# Altium PCB Coral Dev Board Micro.PcbDoc (part 1 of 6) (continued)
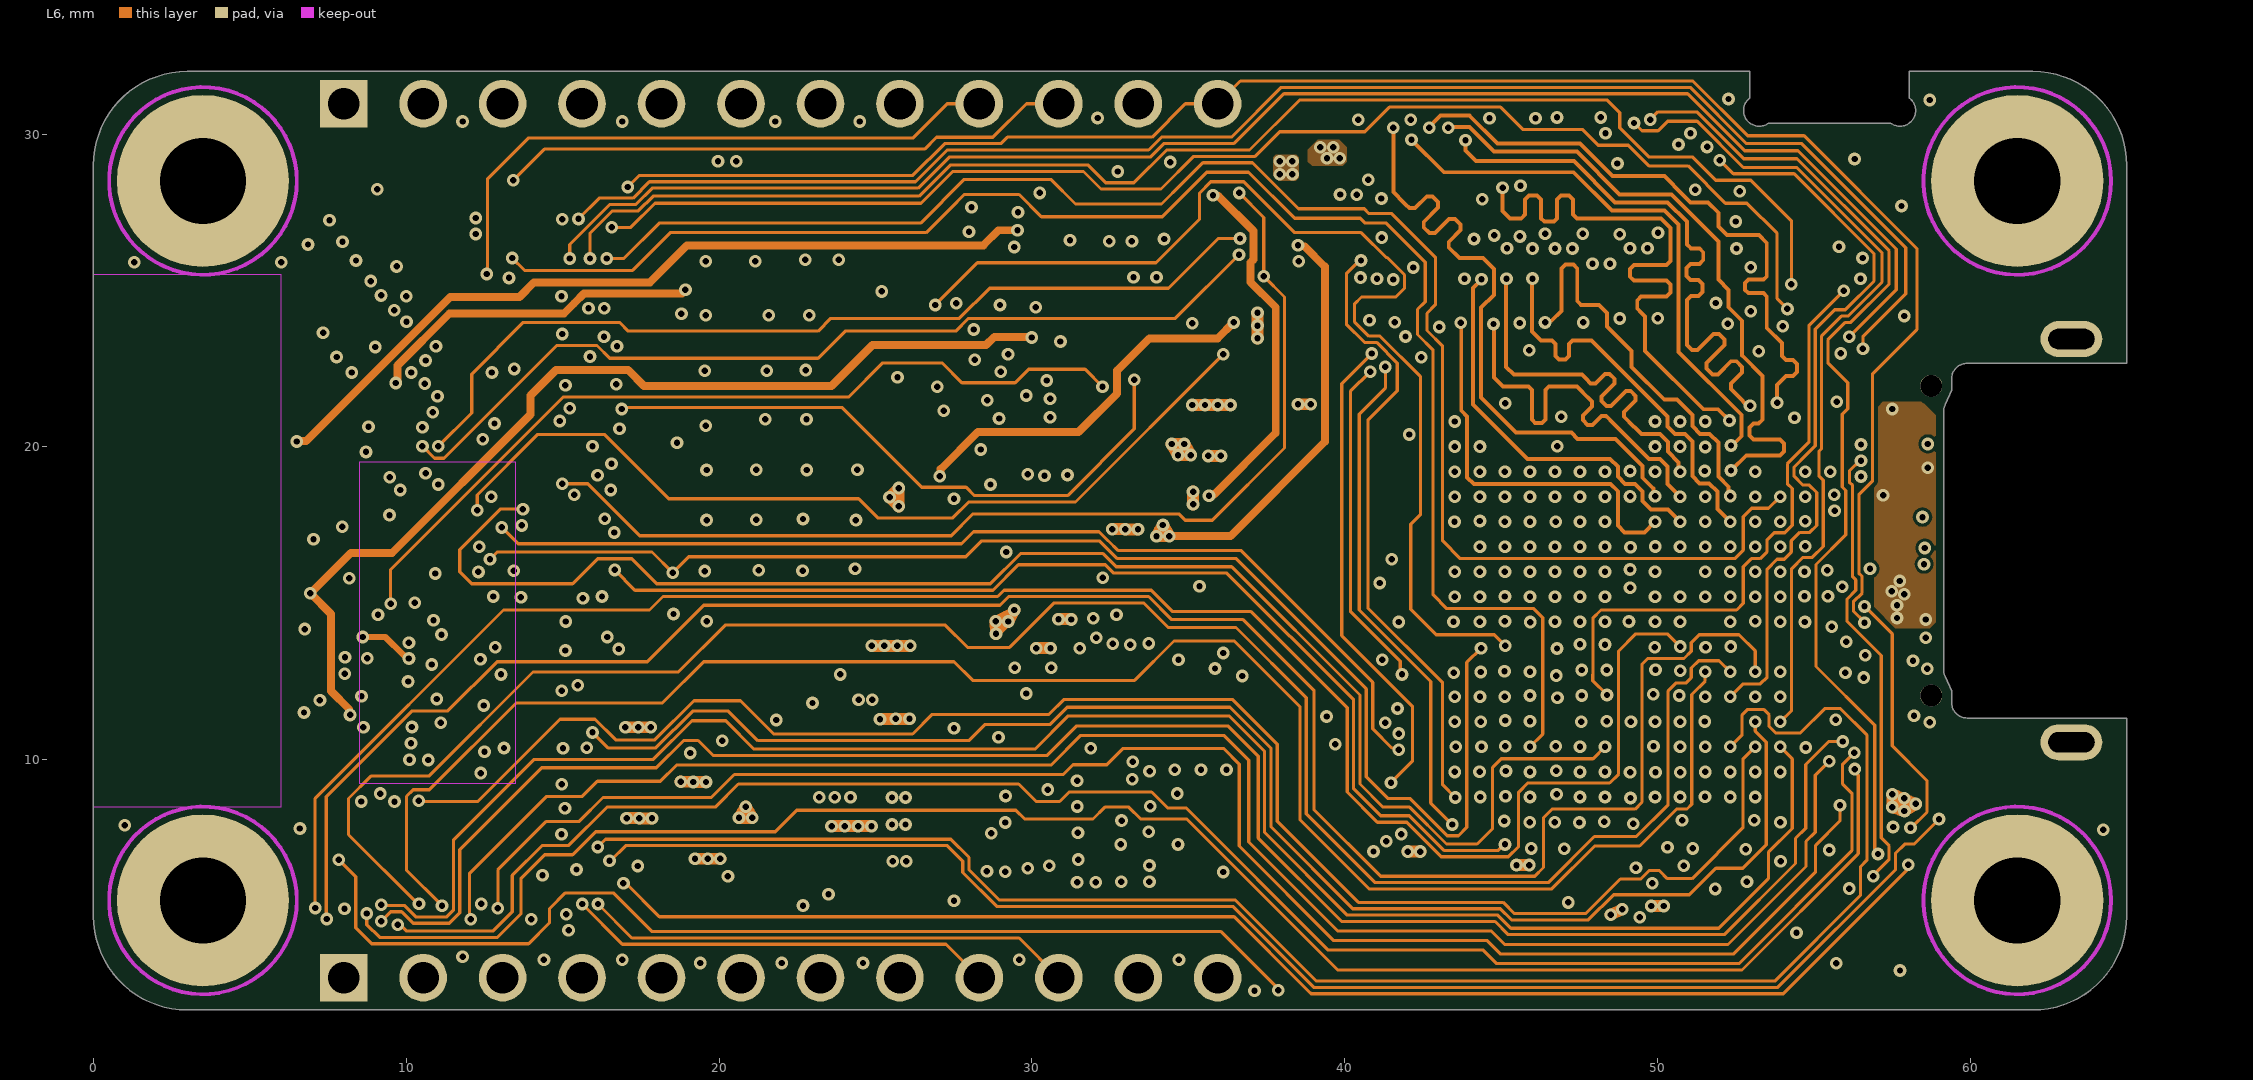
[diagram p6: L6]
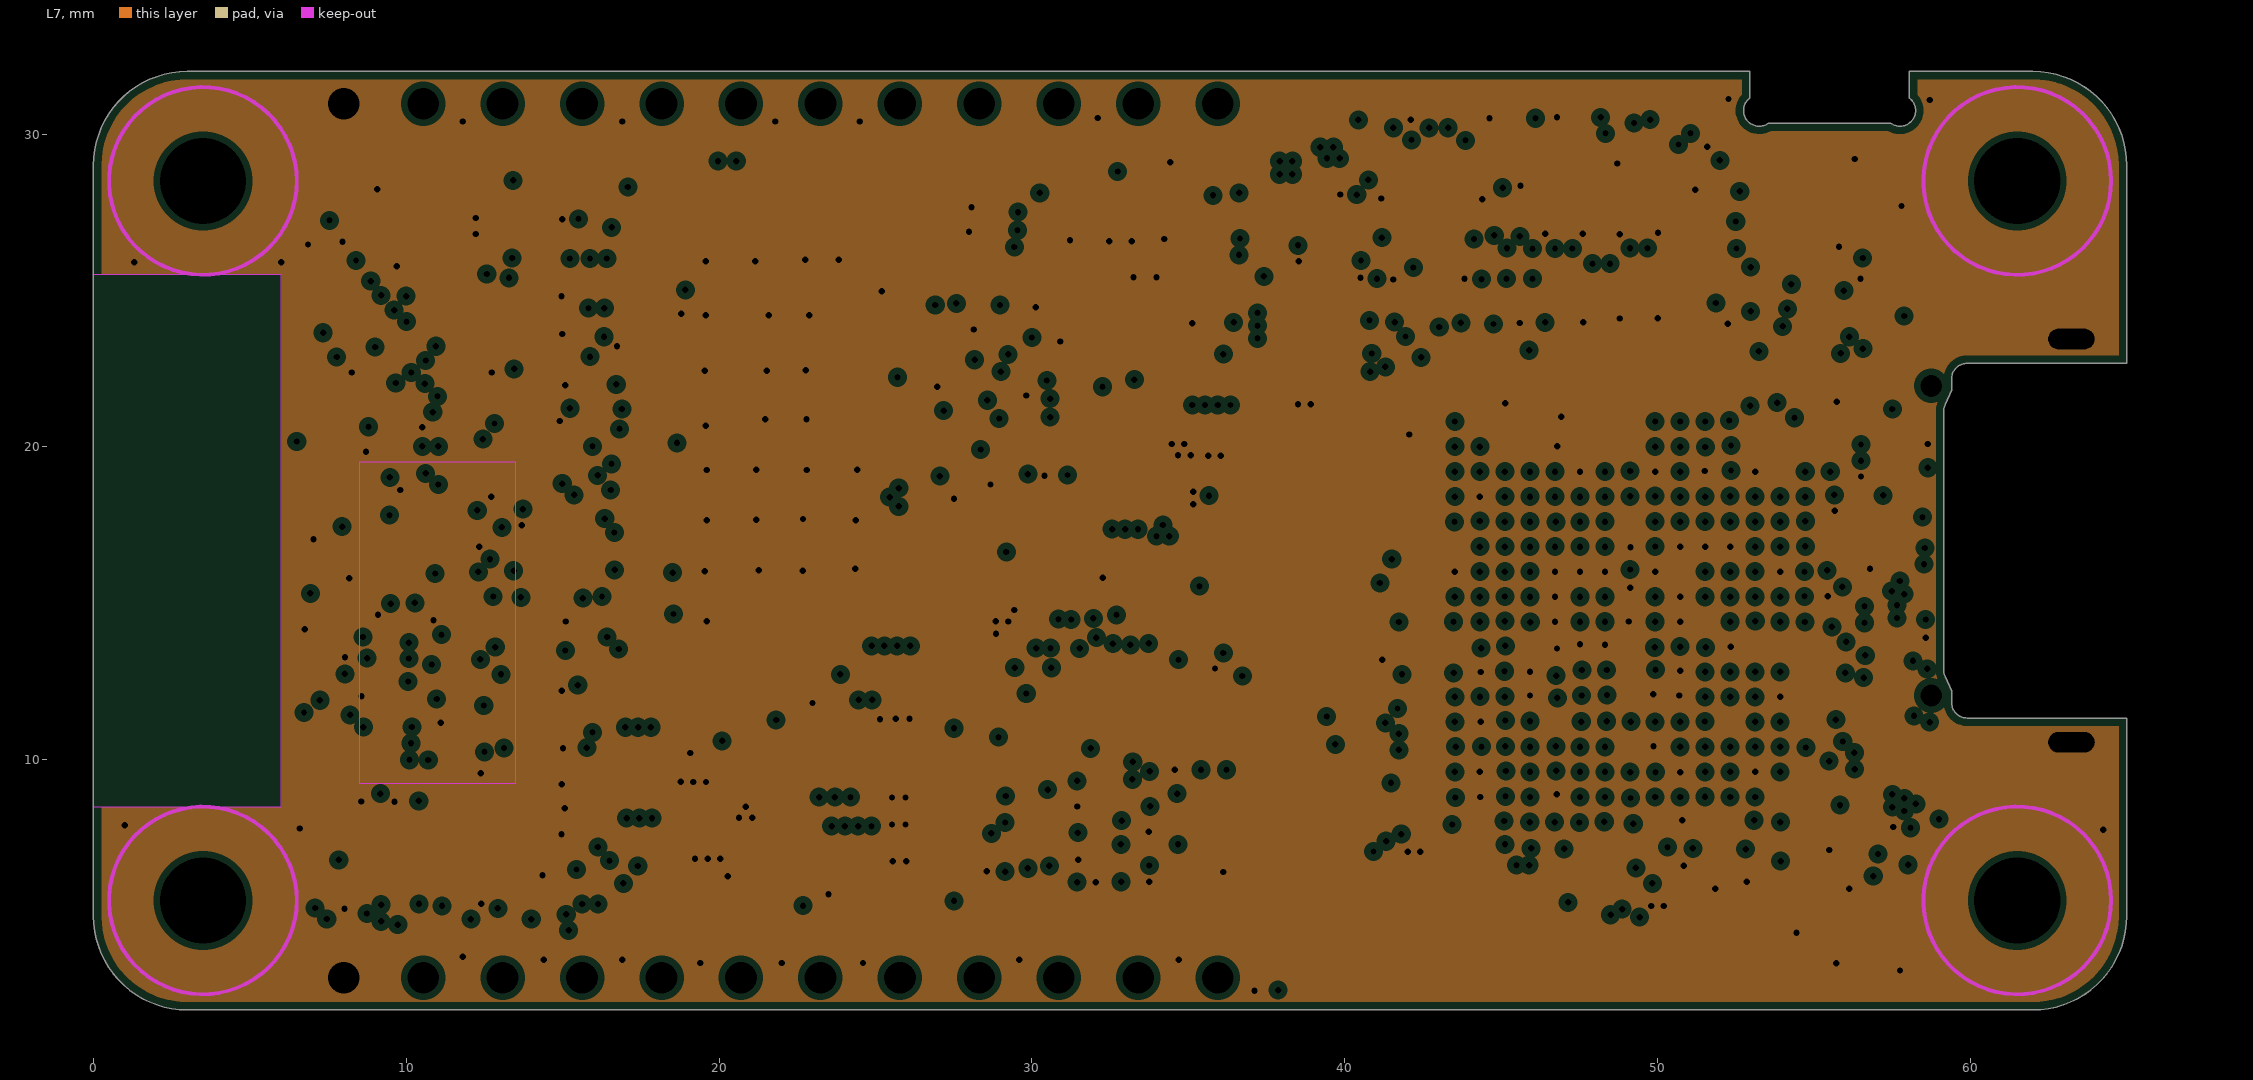
[diagram p7: L7, clearances drawn from the general rule]

## Layer stack, top to bottom
Top Solder: solder mask 0.02, Solder Resist, Dk 1
Top Layer: signal copper 0.043
Dielectric 1: prepreg 0.071, NPG-151, Dk 4.3
L2: plane copper 0.03, net GND
Dielectric 2: core 0.1, NPG-151, Dk 4.3
L3: signal copper 0.03
Dielectric 3: prepreg 0.436, NPG-151, Dk 4.1
L4: signal copper 0.03
Dielectric 4: prepreg 0.102, NPG-151, Dk 4.3
L5: signal copper 0.03
Dielectric 5: prepreg 0.436, NPG-151, Dk 4.1
L6: signal copper 0.03
Dielectric 6: core 0.1, NPG-151, Dk 4.3
L7: plane copper 0.03, net GND
Dielectric 7: prepreg 0.071, NPG-151, Dk 4.3
Bottom Layer: signal copper 0.043
Bottom Solder: solder mask 0.02, Solder Resist, Dk 1

## Board outline
3,2 cw(c3,5) 0,5 0,29 cw(c3,29) 3,32 52.95,32 52.95,31.15 ccw(c53.25,30.75) 53.55,30.35 57.45,30.35 ccw(c57.75,30.75) 58.05,31.15 58.05,32 62,32 cw(c62,29) 65,29 65,22.67 59.9,22.67 ccw(c59.9,22.17) 59.4,22.17 59.4,21.812 59.193,21.347 ccw(c59.65,21.144) 59.15,21.144 59.15,12.856 ccw(c59.65,12.856) 59.193,12.653 59.4,12.188 59.4,11.83 ccw(c59.9,11.83) 59.9,11.33 65,11.33 65,5 cw(c62,5) 62,2

## Design rules (kind name [scope] priority, off if disabled: settings)
BoardOutlineClearance BoardOutlineClearance_USB [InComponent('J8')] p1: gap=0 ignorepadtopadclearanceinfootprint=FALSE
BoardOutlineClearance BoardOutlineClearance_SW3 [InComponent('SW3')] p2: gap=0 ignorepadtopadclearanceinfootprint=FALSE except(0.15: SMDPad-OutlineEdge SMDPad-CavityEdge SMDPad-CutoutEdge SMDPad-SplitBarrior SMDPad-SplitContinuation)
BoardOutlineClearance [All] p3: gap=0.254 ignorepadtopadclearanceinfootprint=FALSE
Clearance Clearance_50OHM [All vs InNetClass('50OHM')] p1: gap=0.127 ignorepadtopadclearanceinfootprint=FALSE except(0: Arc-Hole Track-Hole SMDPad-Hole THPad-Hole Via-Hole Fill-Hole Poly-Hole Region-Hole Text-Hole; 0.152: SMDPad-Text THPad-Text; 0.203: Fill-Fill Fill-Poly Fill-Region Poly-Poly Poly-Region Region-Region; 0.254: Arc-THPad Track-THPad SMDPad-THPad THPad-THPad THPad-Via THPad-Fill THPad-Poly THPad-Region)
Clearance Clearance_3W [InNetClass('3W')] p2: gap=0.127 ignorepadtopadclearanceinfootprint=FALSE except(0: Arc-Hole Track-Hole SMDPad-Hole THPad-Hole Via-Hole Fill-Hole Poly-Hole Region-Hole Text-Hole; 0.152: SMDPad-Text THPad-Text; 0.203: Arc-Arc Arc-Track Track-Track Fill-Fill Fill-Poly Fill-Region Poly-Poly Poly-Region Region-Region; 0.254: Arc-THPad Track-THPad SMDPad-THPad THPad-THPad THPad-Via THPad-Fill THPad-Poly THPad-Region)
Clearance [All] p3: gap=0.127 ignorepadtopadclearanceinfootprint=FALSE except(0: Arc-Hole Track-Hole SMDPad-Hole THPad-Hole Via-Hole Fill-Hole Poly-Hole Region-Hole Text-Hole; 0.102: Arc-Arc Arc-Track Arc-SMDPad Arc-Via Track-Track Track-SMDPad Track-Via Via-Via Via-Fill Via-Poly Via-Region Via-Text; 0.152: SMDPad-Text THPad-Text; 0.2: Fill-Fill Fill-Poly Fill-Region Poly-Poly Poly-Region Region-Region; 0.254: Arc-THPad Track-THPad SMDPad-THPad THPad-THPad THPad-Via THPad-Fill THPad-Poly THPad-Region)
ComponentClearance "HM-TRP & UFL" [InComponent('X1') vs InComponent('U1')] p1: gap=0 collisioncheckmode=3 verticalgap=0 showdistances=FALSE
ComponentClearance [All] p2: gap=0.025 collisioncheckmode=3 verticalgap=0.025 showdistances=FALSE
DiffPairsRouting 90OHM_DIFF [(OnBottomLayer OR OnTopLayer) AND InDifferentialPairClass('90OHM_DIFF')] p1: maxlimit=0.152 minlimit=0.127 mostfreqgap=0.152 toplayer_mingap=0.152 toplayer_minwidth=0.102 toplayer_maxwidth=0.102 toplayer_prefwidth=0.102 midlayer1_mingap=0.152 midlayer1_minwidth=0.102 midlayer1_maxwidth=0.102 midlayer1_prefwidth=0.102 midlayer2_maxgap=0.127 midlayer2_prefgap=0.127 midlayer2_minwidth=0.102 midlayer2_maxwidth=0.102 midlayer2_prefwidth=0.102 midlayer3_maxgap=0.127 midlayer3_prefgap=0.127 midlayer3_minwidth=0.102 midlayer3_maxwidth=0.102 midlayer3_prefwidth=0.102 midlayer4_mingap=0.152 midlayer4_minwidth=0.102 midlayer4_maxwidth=0.102 midlayer4_prefwidth=0.102 bottomlayer_mingap=0.152 bottomlayer_minwidth=0.102 bottomlayer_maxwidth=0.102 bottomlayer_prefwidth=0.102 maxuncoupledlength=12.7 // Only  Valid for Top and Bottom Layers
DiffPairsRouting 100OHM_DIFF [(OnBottomLayer OR OnTopLayer) AND InDifferentialPairClass('100OHM_DIFF')] p2: maxlimit=0.229 minlimit=0.178 mostfreqgap=0.229 toplayer_mingap=0.229 toplayer_minwidth=0.089 toplayer_maxwidth=0.089 toplayer_prefwidth=0.089 midlayer1_mingap=0.229 midlayer1_minwidth=0.089 midlayer1_maxwidth=0.089 midlayer1_prefwidth=0.089 midlayer2_maxgap=0.178 midlayer2_prefgap=0.178 midlayer2_minwidth=0.089 midlayer2_maxwidth=0.089 midlayer2_prefwidth=0.089 midlayer3_maxgap=0.178 midlayer3_prefgap=0.178 midlayer3_minwidth=0.089 midlayer3_maxwidth=0.089 midlayer3_prefwidth=0.089 midlayer4_mingap=0.229 midlayer4_minwidth=0.089 midlayer4_maxwidth=0.089 midlayer4_prefwidth=0.089 bottomlayer_mingap=0.229 bottomlayer_minwidth=0.089 bottomlayer_maxwidth=0.089 bottomlayer_prefwidth=0.089 maxuncoupledlength=12.7 // Only Valid For Top and Bottom Layers
HoleSize [All] p1: absolutevalues=TRUE maxlimit=6.731 minlimit=0.178 maxpercent=80.000 minpercent=20.000
HoleToHoleClearance [All] p1: gap=0.203 allowstackedmicrovias=FALSE
MatchedLengths MatchedLengths_SEMC_D [InxSignalClass('XSEMC_D')] p1: tolerance=5.08 checknetsindiffpair=FALSE checkdiffpairvsdiffpair=TRUE checkxsignals=TRUE checkothers=TRUE
MatchedLengths DiffPair_90OHMMatchedLengths [InDifferentialPairClass('USB_90_OHMS') or InDifferentialPairClass('100OHM_DIFF')] p2: tolerance=0.127 checknetsindiffpair=TRUE checkdiffpairvsdiffpair=FALSE checkxsignals=FALSE checkothers=FALSE
MatchedLengths MatchedLengths_SEMC_D_50mil [InxSignalClass('SEMC_D_50mil')] p3: tolerance=1.27 checknetsindiffpair=FALSE checkdiffpairvsdiffpair=TRUE checkxsignals=TRUE checkothers=TRUE
MatchedLengths MatchedLengths_SEMC_A [InxSignalClass('XSEMC_A')] p4: tolerance=5.08 checknetsindiffpair=FALSE checkdiffpairvsdiffpair=TRUE checkxsignals=TRUE checkothers=TRUE
MatchedLengths [InxSignalClass('XFLEXSPI')] p5: tolerance=0.635 checknetsindiffpair=FALSE checkdiffpairvsdiffpair=TRUE checkxsignals=TRUE checkothers=TRUE
MatchedLengths MatchLengths_ENET_TX [InxSignalClass('XENET_TX')] p6: tolerance=0.127 checknetsindiffpair=FALSE checkdiffpairvsdiffpair=TRUE checkxsignals=TRUE checkothers=TRUE
MatchedLengths MatchLengths_ENET_RX [InxSignalClass('XENET_RX')] p7: tolerance=0.127 checknetsindiffpair=FALSE checkdiffpairvsdiffpair=TRUE checkxsignals=TRUE checkothers=TRUE
MinimumAnnularRing [All] p1: minimumring=0.102
MinimumSolderMaskSliver MinimumSolderMaskSliver_Min [HasFootprint('Molex_5037722410')  or HasFootprint('EDAC_690-W16-290T131') or HasFootprint('6DFN1.1X1E') or HasFootprint('3XDFN') or HasFootprint('Molex_5037722410_HM01B0')] p1: minsoldermaskwidth=0.056
MinimumSolderMaskSliver [All] p2: minsoldermaskwidth=0.076
PlaneClearance [All] p1: clearance=0.203
PlaneConnect [All] p1: pad.planeconnectstyle=Relief pad.reliefexpansion=0.254 pad.reliefentries=4 pad.reliefconductorwidth=0.381 pad.reliefairgap=0.305 via.planeconnectstyle=Direct via.reliefexpansion=0.102 via.reliefentries=4 via.reliefconductorwidth=0.152 via.reliefairgap=0.152
PolygonConnect PolygonConnect_0201 [HasFootprint('R0201_MOD') or HasFootprint('C0201_MOD')] p1: connectstyle=Relief reliefconductorwidth=0.127 reliefentries=4 polygonreliefangle="90 Angle" airgapwidth=0.254
PolygonConnect "Via connect style" [isVia] p2: connectstyle=Direct reliefconductorwidth=0.254 reliefentries=4 polygonreliefangle="90 Angle" airgapwidth=0.254
PolygonConnect [All] p3: thpad.connectstyle=Relief thpad.reliefconductorwidth=0.381 thpad.reliefentries=4 thpad.polygonreliefangle="90 Angle" thpad.airgapwidth=0.254 smdpad.connectstyle=Direct smdpad.reliefconductorwidth=0.254 smdpad.reliefentries=4 smdpad.polygonreliefangle="90 Angle" smdpad.airgapwidth=0.152 via.connectstyle=Direct via.reliefconductorwidth=0.254 via.reliefentries=4 via.polygonreliefangle="90 Angle" via.airgapwidth=0.152
RoomDefinition "04 MIMXRT1170 PART1" [InComponentClass('04 MIMXRT1170 PART1')] p1: confinementstyle=ConfineIn formatcopy=TRUE lockcomponents=FALSE outline -25.4,-25.4 25.4,-25.4 25.4,0 -25.4,0
RoomDefinition "15 INTERFACE_JTAG" [InComponentClass('15 INTERFACE_JTAG')] p2: confinementstyle=ConfineIn formatcopy=TRUE lockcomponents=FALSE outline -25.4,-25.4 25.4,-25.4 25.4,0 -25.4,0
RoomDefinition "14 BOOT" [InComponentClass('14 BOOT')] p3: confinementstyle=ConfineIn formatcopy=TRUE lockcomponents=FALSE outline -25.4,-25.4 25.4,-25.4 25.4,0 -25.4,0
RoomDefinition "13 TPU" [InComponentClass('13 TPU')] p4: confinementstyle=ConfineIn formatcopy=TRUE lockcomponents=FALSE outline -25.4,-25.4 25.4,-25.4 25.4,0 -25.4,0
RoomDefinition "11 DMIC" [InComponentClass('11 DMIC')] p5: confinementstyle=ConfineIn formatcopy=TRUE lockcomponents=FALSE outline -25.4,-25.4 25.4,-25.4 25.4,0 -25.4,0
RoomDefinition "10 SDRAM" [InComponentClass('10 SDRAM')] p6: confinementstyle=ConfineIn formatcopy=TRUE lockcomponents=FALSE outline -25.4,-25.4 25.4,-25.4 25.4,0 -25.4,0
RoomDefinition "09 FLASH_BOOT" [InComponentClass('09 FLASH_BOOT')] p7: confinementstyle=ConfineIn formatcopy=TRUE lockcomponents=FALSE outline -25.4,-25.4 25.4,-25.4 25.4,0 -25.4,0
RoomDefinition "08 Parallel Camera" [InComponentClass('08 Parallel Camera')] p8: confinementstyle=ConfineIn formatcopy=TRUE lockcomponents=FALSE outline -25.4,-25.4 25.4,-25.4 25.4,0 -25.4,0
RoomDefinition "07 B2B" [InComponentClass('07 B2B')] p9: confinementstyle=ConfineIn formatcopy=TRUE lockcomponents=FALSE outline -25.4,-25.4 25.4,-25.4 25.4,0 -25.4,0
RoomDefinition "06 MIMXRT1170 PART3" [InComponentClass('06 MIMXRT1170 PART3')] p10: confinementstyle=ConfineIn formatcopy=TRUE lockcomponents=FALSE outline -25.4,-25.4 25.4,-25.4 25.4,0 -25.4,0
RoomDefinition "05 MIMXRT1170 PART2" [InComponentClass('05 MIMXRT1170 PART2')] p11: confinementstyle=ConfineIn formatcopy=TRUE lockcomponents=FALSE outline -25.4,-25.4 25.4,-25.4 25.4,0 -25.4,0
RoomDefinition "12 USB" [InComponentClass('12 USB')] p12: confinementstyle=ConfineIn formatcopy=TRUE lockcomponents=FALSE outline 51.6,137.6 100.6,137.6 100.6,153.6 51.6,153.6
RoomDefinition "03 MAIN POWER" [InComponentClass('03 MAIN POWER')] p13: confinementstyle=ConfineIn formatcopy=TRUE lockcomponents=FALSE outline 90.725,-1 317.725,-1 317.725,13 90.725,13
RoutingCorners [All] p1: cornerstyle=45-Degree minsetback=1.25 maxsetback=1.25
RoutingVias [All] p1: holewidth=0.203 width=0.406 viastyle="Through Hole" minholewidth=0.203 minwidth=0.406 maxholewidth=0.254 maxwidth=0.508
SilkToSilkClearance [All] p1: silktosilkclearance=0.025
SilkToSolderMaskClearance [IsPad] p1 off: minsilkscreentomaskgap=0.127 clearancetoexposedcopper=TRUE
SolderMaskExpansion SolderMaskExpansion_VIA [IsVia] p1: expansion=0.051 istentingtop=TRUE
SolderMaskExpansion [All] p2: expansion=0.051 istentingtop=FALSE
Width GND [InNetClass('Gnd')] p1: maxlimit=0.508 minlimit=0.076 preferedwidth=0.254
Width Power [InNetClass('Power')] p2: maxlimit=0.508 minlimit=0.102 preferedwidth=0.254
Width 3V3 [InNetClass('3V3')] p3: maxlimit=0.762 minlimit=0.203 preferedwidth=0.254
Width 50OHM [InNetClass('50OHM')] p4: maxlimit=0.127 minlimit=0.102 preferedwidth=0.102 toplayer_maxwidth=0.102 midlayer1_maxwidth=0.102 midlayer2_minwidth=0.127 midlayer2_prefwidth=0.127 midlayer3_minwidth=0.127 midlayer3_prefwidth=0.127 midlayer4_maxwidth=0.102 bottomlayer_maxwidth=0.102 minimp=50.000000 maximp=50.000000 favimp=50.000000
Width [All] p5: maxlimit=1.27 minlimit=0.102 preferedwidth=0.102 minimp=50.000000 maximp=50.000000 favimp=50.000000
20 further rules are at their usual default settings.

## Classes and differential pairs
net class 50oh: BT_CFG1_0_ENET_RGMII_TXD3 BT_CFG1_1_ENET_RGMII_TXD2 BT_CFG1_2_ENET_RGMII_TXD1 BT_CFG1_3_ENET_RGMII_TXD0 BT_CFG1_4_ENET_RGMII_TX_EN BT_CFG1_5_ENET_RGMII_TXC ENET_RGMII_RX_EN ENET_RGMII_RXC ENET_RGMII_RXD0 ENET_RGMII_RXD1 ENET_RGMII_RXD2 ENET_RGMII_RXD3 ENET_RGMII_TX_EN ENET_RGMII_TXC ENET_RGMII_TXD0 ENET_RGMII_TXD1 ENET_RGMII_TXD2 ENET_RGMII_TXD3 SEMC_A0 SEMC_A1 SEMC_A2 SEMC_A3 SEMC_A4 SEMC_A5 SEMC_A6 SEMC_A7 SEMC_A8 SEMC_A9 SEMC_A10 SEMC_A11 SEMC_A12 SEMC_BA0 SEMC_BA1 SEMC_CAS SEMC_CKE SEMC_CLK SEMC_CLK_R SEMC_CS0 SEMC_D0 SEMC_D1 SEMC_D2 SEMC_D3 SEMC_D4 SEMC_D5 SEMC_D6 SEMC_D7 SEMC_D8 SEMC_D9 SEMC_D10 SEMC_D11 SEMC_D12 SEMC_D13 SEMC_D14 SEMC_D15 SEMC_DM0 SEMC_DM1 SEMC_RAS SEMC_WE
net class ENET_TX: BT_CFG1_0_ENET_RGMII_TXD3 BT_CFG1_1_ENET_RGMII_TXD2 BT_CFG1_2_ENET_RGMII_TXD1 BT_CFG1_3_ENET_RGMII_TXD0 BT_CFG1_4_ENET_RGMII_TX_EN BT_CFG1_5_ENET_RGMII_TXC ENET_RGMII_TX_EN ENET_RGMII_TXC ENET_RGMII_TXD0 ENET_RGMII_TXD1 ENET_RGMII_TXD2 ENET_RGMII_TXD3
net class ENET_RX: ENET_RGMII_RX_EN ENET_RGMII_RXC ENET_RGMII_RXD0 ENET_RGMII_RXD1 ENET_RGMII_RXD2 ENET_RGMII_RXD3
net class 3W: CSI_MCLK CSI_PIXCLK FlexSPI_A_CLK MIC_CLK SAI2_MCLK SAI2_RX_BCLK SAI2_TX_BCLK SEMC_CKE SEMC_CLK SEMC_CLK_R USDHC2_CLK
net class SEMC_A[12..0]: SEMC_A0 SEMC_A1 SEMC_A2 SEMC_A3 SEMC_A4 SEMC_A5 SEMC_A6 SEMC_A7 SEMC_A8 SEMC_A9 SEMC_A10 SEMC_A11 SEMC_A12 SEMC_BA0 SEMC_BA1 SEMC_CAS SEMC_CKE SEMC_CLK SEMC_CS0 SEMC_RAS SEMC_WE
net class Gnd: GND
net class Power: VSYS VSYS_DA
net class 50OHM: BT_CFG1_0_ENET_RGMII_TXD3 BT_CFG1_1_ENET_RGMII_TXD2 BT_CFG1_2_ENET_RGMII_TXD1 BT_CFG1_3_ENET_RGMII_TXD0 BT_CFG1_4_ENET_RGMII_TX_EN BT_CFG1_5_ENET_RGMII_TXC ENET_RGMII_RX_EN ENET_RGMII_RXC ENET_RGMII_RXD0 ENET_RGMII_RXD1 ENET_RGMII_RXD2 ENET_RGMII_RXD3 SEMC_A0 SEMC_A1 SEMC_A2 SEMC_A3 SEMC_A4 SEMC_A5 SEMC_A6 SEMC_A7 SEMC_A8 SEMC_A9 SEMC_A10 SEMC_A11 SEMC_A12 SEMC_BA0 SEMC_BA1 SEMC_CAS SEMC_CKE SEMC_CLK SEMC_CS0 SEMC_D0 SEMC_D1 SEMC_D2 SEMC_D3 SEMC_D4 SEMC_D5 SEMC_D6 SEMC_D7 SEMC_D8 SEMC_D9 SEMC_D10 SEMC_D11 SEMC_D12 SEMC_D13 SEMC_D14 SEMC_D15 SEMC_DM0 SEMC_DM1 SEMC_RAS SEMC_WE
net class SEMC_D[15..0]: SEMC_D0 SEMC_D1 SEMC_D2 SEMC_D3 SEMC_D4 SEMC_D5 SEMC_D6 SEMC_D7 SEMC_D8 SEMC_D9 SEMC_D10 SEMC_D11 SEMC_D12 SEMC_D13 SEMC_D14 SEMC_D15 SEMC_DM0 SEMC_DM1
differential pair class 90OHM_DIFF: MCM_USB2_D OTG1_D USB2_TPU
differential pair class 100OHM_DIFF: MIPI_CSI_CK MIPI_CSI_D0 MIPI_CSI_D1 MIPI_DSI_CK MIPI_DSI_D0 MIPI_DSI_D1
component class "15 INTERFACE_JTAG": C36 C37 D1 D5 D6 J9 J10 LED2 LED3 LED4 LED5 Q1 Q2 Q3 Q4 Q10 R11 R12 R13 R29 R30 R31 R166 R167 R168 R169 R170 R171 R172 SW2 SW3 U3
component class "14 BOOT": R139 R140 R141 R142 R143 R144 R145 R146 R147 R148 R149 R150 R151 R152 R153 R154 R155 R156 R157 R158 R159 R160 R161 R162 R163 R164 SW1
component class "13 TPU": C39 C40 C41 C42 C43 C44 C46 C88 C90 C91 C92 C93 C94 C95 C96 C97 C98 R22 R39 R93 R95 R99 R110 R116 R125 R129 R132 R133 R136 R137 R138 TP28 TP29 TP32 TP33 TP34 TP35 TP36 TP37 TP38 TP40 TP41 TP42 TP43 TP44 U21 U22 u23
component class "12 USB": C84 C85 ESD1 ESD2 J8 L7 R17 TP39 TP45 U4 U20
component class "11 DMIC": C20 C83 R86 R87 R91 U19
component class "10 SDRAM": C223 C224 C233 C234 C267 C268 C297 C303 C304 FB6 R90 R135 R365 U18
component class "09 FLASH_BOOT": C81 C82 R71 R72 R73 R74 R75 R76 R78 R79 R84 R85 U17
component class "08 Parallel Camera": C27 C29 C31 C35 C79 C80 J7
component class "07 B2B": C19 C22 J5 J6
component class "06 MIMXRT1170 PART3": C34 C119 C235 C239 C241 C244 C251 C252 C265 C270 C272 FB3 FB4 FB5 R1848 TP25 TP30 TP31
component class "05 MIMXRT1170 PART2": C33 C242 C254 C256 C258 C285 C327 C345 R10 R16 R18 R19 R20 R21 R23 R24 R26 R27 R32 R33 R34 R35 R36 R37 R38 R40 R41 R43 R44 R45 R46 R47 R48 R49 R50 R51 R53 R373 R374 R375 TP18 TP19 TP20 TP21 TP24 U6 U10 U13 U14
component class "04 MIMXRT1170 PART1": C18 C21 C57 C61 C62 C63 C67 C74 C102 C107 C109 C110 C115 C117 C118 C124 C136 C138 C245 C257 C260 C261 C264 C266 C269 C273 C276 C277 C279 C280 C286 C287 C290 C293 C294 C296 C300 C302 C305 C316 C317 C347 C348 D2 D3 D31 FB1 FB2 L15 R14 R117 R189 R194 R215 R396 R397 R398 R415 R416 R419 R1821 TP9 TP10 TP11 TP12 TP13 TP14 TP15 TP16 TP17 TP22 TP23 U2 U5 X1 X2 Y4
component class "03 MAIN POWER": C1 C2 C3 C4 C5 C6 C7 C8 C9 C10 C11 C12 C13 C14 C15 C16 C17 C23 C24 C25 C26 C28 C30 C32 C38 C45 C87 D4 L1 L2 R1 R2 R3 R4 R5 R6 R7 R8 R9 R15 TP1 TP2 TP3 TP4 TP5 TP6 TP7 TP8 TP26 TP27 U1
differential pair USB2_TPU: +USB2_TPU_P -USB2_TPU_N
differential pair OTG1_D: +OTG1_D_P -OTG1_D_N
differential pair MCM_USB2_D: +MCM_USB2_D_P -MCM_USB2_D_N
differential pair MIPI_DSI_D1: +MIPI_DSI_D1_P -MIPI_DSI_D1_N
differential pair MIPI_DSI_D0: +MIPI_DSI_D0_P -MIPI_DSI_D0_N
differential pair MIPI_DSI_CK: +MIPI_DSI_CK_P -MIPI_DSI_CK_N
differential pair MIPI_CSI_D1: +MIPI_CSI_D1_P -MIPI_CSI_D1_N
differential pair MIPI_CSI_D0: +MIPI_CSI_D0_P -MIPI_CSI_D0_N
differential pair MIPI_CSI_CK: +MIPI_CSI_CK_P -MIPI_CSI_CK_N

## Components (designator, comment, footprint, x,y, rotation, side; value= is the part's Value field where it differs from the comment)
C1 "__Template_Cap" C0201_MOD 30.683,29.032 r0 top value=2.2UF
C2 "__Template_Cap_Auto" C0402#1 28.473,26.264 r180 top value=1uF
C3 "__Template_Cap_Auto" C0402#1 29.82,22.149 r270 bottom value=1uF
C4 "__Template_Cap" C0603_L_ZEROMASK 36.525,20.345 r270 top value=22uF
C5 "__Template_Cap" C0603_L_ZEROMASK 37.643,21.184 r270 top value=22uF
C6 "__Template_Cap" C0603_L_ZEROMASK 34.366,20.345 r270 top value=22uF
C7 "__Template_Cap" C0603_L_ZEROMASK 35.446,20.345 r270 top value=22uF
C8 "__Template_Cap" C0603_L_ZEROMASK 38.913,22.035 r270 top value=22uF
C9 "__Template_Cap" C0603_L_ZEROMASK 40.03,22.035 r270 top value=22uF
C10 "__Template_Cap" C0402#2 34.562,18.593 r0 top value=22UF
C11 "__Template_Cap" C0402#2 34.562,17.704 r0 top value=22UF
C12 "__Template_Cap" C0201_MOD 28.956,27.602 r180 top value=1UF
C13 "__Template_Cap" C0201_MOD 28.902,26.949 r180 top value=2.2UF
C14 "__Template_Cap" C0201_MOD 29.159,23.749 r90 top value=2.2UF
C15 "__Template_Cap" C0201_MOD 30.531,22.758 r90 bottom value=2.2UF
C16 "__Template_Cap" C0201_MOD 28.915,25.036 r180 top value=0.22UF
C17 "__Template_Cap" C0201_MOD 35.75,23.965 r180 bottom value=1UF
C18 "__Template_Cap" C0201_MOD 37.922,3.674 r270 bottom value=1UF
C19 "__Template_Cap" C0201_MOD 47.493,30.493 r180 top value=0.1uF
C20 "__Template_Cap" C0201_MOD 7.017,26.203 r90 top value=1UF
C21 "__Template_Cap" C0201_MOD 39.624,3.692 r270 bottom value=1UF
C22 "__Template_Cap" C0201_MOD 45.36,30.493 r180 top value=0.1uF
C23 "__Template_Cap" C0201_MOD 31.771,15.596 r0 bottom value=0.1uF
C24 "__Template_Cap" C0201_MOD 16.726,22.39 r90 bottom value=0.1uF
C25 "__Template_Cap" C0201_MOD 15.443,7.29 r90 top value=0.1uF
C26 "__Template_Cap" C0201_MOD 18.3,7.1 r0 bottom value=0.1uF
C27 "__Template_Cap" C0201_MOD 8.865,8.204 r180 bottom value=0.1uF
C28 "__Template_Cap" C0201_MOD 33.579,16.353 r270 top value=0.1uF
C29 "__Template_Cap" C0402#1 8.719,7.417 r180 bottom value=10UF
C30 "__Template_Cap" C0201_MOD 24.665,17.562 r180 bottom value=0.1uF
C31 "__Template_Cap" C0402#1 14.603,11.214 r0 top value=10UF
C32 "__Template_Cap_Auto" C0402#1 29.058,28.473 r180 top value=1uF
C33 "__Template_Cap" C0201_MOD 56.693,8.484 r0 top value=4.7UF
C34 "__Template_Cap" C0201_MOD 40.754,13.314 r270 top value=10PF
C35 "__Template_Cap" C0402#1 14.603,10.278 r0 top value=10UF
C36 "__Template_Cap" C0201_MOD 7.35,17.45 r180 bottom value=47nF
C37 "__Template_Cap" C0201_MOD 6.782,18.369 r270 bottom value=0.1uF
C38 "__Template_Cap" C0603 18.186,8.052 r0 bottom value=22uF
C39 "__Template_Cap" C1206Y_1.90MM#1 20.6,9.6 r180 top value=100uF
C40 "__Template_Cap" C1206Y_1.90MM#2 25.8,7.3 r0 top value=100uF
C41 "__Template_Cap" C1206Y_1.90MM#2 25.8,9.6 r0 top value=100uF
C42 "__Template_Cap" C0603 25.019,8.763 r0 bottom value=22uF
C43 "__Template_Cap" C0603 25.019,10.16 r0 bottom value=22uF
C44 "__Template_Cap" C0603 25.019,11.557 r0 bottom value=22uF
C45 "__Template_Cap" C0603 18.186,10.541 r0 bottom value=22uF
C46 "__Template_Cap" C1206Y_1.90MM#1 20.6,7.3 r180 top value=100uF
C57 "__Template_Cap" C0201_MOD 47.523,13.106 r90 bottom value=2.2UF
C61 "__Template_Cap" C0402#1 50.337,14.453 r0 bottom value=22UF